# Altium PCB LION_TRACKER.PcbDoc (part 2 of 2) (continued)
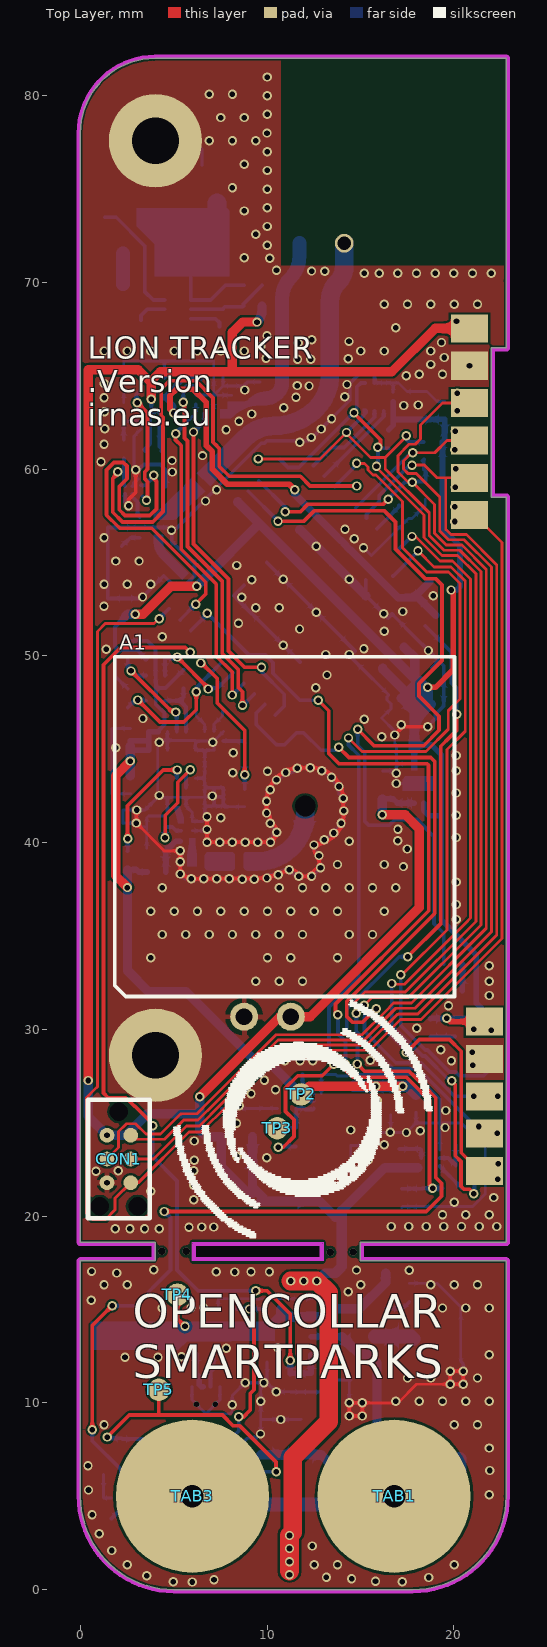
[diagram p0: Top Layer view]
## Nets (pads, with @x,y where several pads share a name; then routed paths per layer and width w, separated by ;. In a path a pad name is that pad's centre, name@x,y a point inside that pad or via, vN(x,y) a via of type N, cw(c..) or ccw(c..) an arc to the next point about the centre after c; other vN are vias at no path point) (continued)
  Bottom Layer w0.2: T3.3@3.24,63 3.24,63.378 v1(3.054,63.563) 2.998,63.619 2.998,64.014 3.24,64.255 3.24,64.62 C16.1@3.28,64.66 ; 3.33,58.55 v1(3.54,58.34)
NetC39_1: C39.1 U12.7 | length 1.8
  Bottom Layer w0.2: U12.7@6.97,10.87 6.97,11.66 7.13,11.82 C39.1@7.13,12.61
NetC39_2: C39.2 L6.1 U12.6 | length 2
  Bottom Layer w0.3: C39.2@6.17,12.61 6.17,11.575 6.372,11.373 6.372,10.968 U12.6@6.47,10.87 U12.6@6.568,10.87
NetC43_2: C43.2 U12.2 | length 1.4
  Bottom Layer w0.2: U12.2@6.97,7.97 6.97,7.29 C43.2@7.31,6.95 C43.2@7.31,7.16
NetC45_2: C45.2 R35.1 U14.5 | length 4.4
  Bottom Layer w0.2: U14.5@5.91,68.56 7.61,68.56 7.75,68.7 8.7,68.7 R35.1@8.73,68.73 8.73,68.85 C45.2@9.73,69.85
NetD2_2: D2.2 R9.2 | length 1.4
  Bottom Layer w0.3: R9.2@20.454,33.502 R9.2@20.46,33.496 ; D2.2@20.46,32.077 R9.2@20.46,33.496 ; R9.2@20.464,33.492 R9.2@20.46,33.496
NetD3_1: D3.1 F1.1 | length 2.1
  Bottom Layer w0.75: F1.1@15.79,13.55 17.7,13.55 D3.1@17.83,13.42
NetL1_1: L1.1 U2.3
NetL5_1: L5.1 U7.A2
NetR2_2: R2.2 U1.H9 | length 1.2
  Bottom Layer w0.2: U1.H9@7.66,45.45 8.69,45.45 R2.2@8.8,45.34
NetR3_2: R3.2 U1.C5 U2.5 | length 6.8
  Top Layer w0.2: v1(4.53,40.26) 4.54,40.27 4.54,41.47 5.21,42.14 5.21,43.23 v1(5.88,43.9)
  Bottom Layer w0.2: v1(4.53,40.26) 4.54,40.27 4.54,40.83 R3.2@4.55,40.84 4.92,40.84 5.12,40.64 U2.5@5.39,40.64 ; U1.C5@5.66,42.95 5.66,43.66 5.88,43.88 v1(5.88,43.9) v1@5.88,43.92
NetR4_1: R4.1 U1.D4 | length 6.4
  Top Layer w0.2: v1(2.53,40.21) 2.523,40.217 2.523,41.983 4.435,43.895 v1(5.185,43.895)
  Bottom Layer w0.2: R4.1@2.52,39.54 2.53,39.55 v1(2.53,40.21) ; U1.D4@5.16,43.45 5.16,43.87 v1(5.185,43.895) v1@5.21,43.92
NetR12_2: R12.2 T2.3 | length 1.7
  Bottom Layer w0.2: T2.3@19.26,22.68 19.26,22.66 R12.2@20.4,21.52 ; R12.2@20.4,21.5 R12.2@20.4,21.52 ; R12.2@20.4,21.54 R12.2@20.4,21.52
NetR13_1: R13.1 T2.5 T2.6 | length 1.6
  Bottom Layer w0.2: R13.1@17.07,23.6 18.2,23.6 T2.6@18.26,23.54 T2.5@18.26,23.11
NetR14_2: R14.2 R16.2 T2.2 | length 2.1
  Bottom Layer w0.2: T2.2@19.26,23.11 19.7,23.11 R14.2@20.1,22.71 R16.2@20.1,23.81
NetR19_2: R19.2 U5.4 | length 1.1
  Bottom Layer w0.2: R19.2@2.22,55.88 2.67,56.33 U5.4@3.18,56.33
NetR20_1: R20.1 T3.5 T3.6 | length 1.7
  Bottom Layer w0.2: T3.5@4.24,62.57 T3.6@4.24,62.14 4.24,61.2 R20.1@4.4,61.04 R20.1@4.34,60.98
NetR21_2: R21.2 R22.2 T3.2 | length 1.9
  Bottom Layer w0.2: R21.2@2.32,61.57 R22.2@2.32,62.58 2.33,62.57 T3.2@3.24,62.57
NetR25_2: R25.2 U7.B3 | length 1.3
  Bottom Layer w0.2: R25.2@11.89,27.59 11.89,27.17 U7.B3@12.5,26.56
NetR27_1: R27.1 T4.3 TP5.0 U12.3 | length 21
  Top Layer w0.2: v1(1.44,8.17) 2.616,9.346 4.2,9.346 ; TP5.0@4.2,10.7 4.2,9.346 ; v1(10.48,6.31) 10.48,6.83 8.54,8.77 8.19,8.77 7.614,9.346 4.2,9.346
  Bottom Layer w0.2: v1(1.44,8.17) 1.505,8.105 T4.3@2.21,8.105 2.255,8.06 R27.1@4.5,8.06 ; U12.3@6.47,7.97 6.47,6.78 6.95,6.3 6.96,6.31 v1(10.48,6.31)
NetR28_1: R28.1 R30.2 U12.1 | length 9.7
  Top Layer w0.2: v1(8.48,9.25) 8.73,9.25 9.1,9.62 9.1,10.5 9.3,10.7 9.3,14.785 v1(9.055,15.03)
  Bottom Layer w0.2: U12.1@7.47,7.97 7.95,7.97 8.48,8.5 v1(8.48,9.25) ; R30.2@8.38,15.02 8.39,15.03 v1(9.055,15.03) R28.1@9.72,15.03
NetR29_2: R29.2 U13.5 | length 1.4
  Bottom Layer w0.2: U13.5@16.35,15.05 17.25,15.05 R29.2@17.61,15.41
NetR31_2: R31.2 R32.2 T4.1 | length 2.6
  Bottom Layer w0.2: R31.2@2.67,3.815 R32.2@2.67,4.905 2.67,5.42 3.18,5.93 T4.1@3.18,6.165
NetR36_2: R36.2 U14.6 | length 1.8
  Bottom Layer w0.2: U14.6@5.91,68.06 7.24,68.06 7.45,67.85 R36.2@7.45,67.63
NetT5_1: T5.1 U14.2 | length 1.6
  Bottom Layer w0.2: T5.1@3.24,67.99 3.24,68.225 3.575,68.56 U14.2@4.51,68.56
NetT5_3: T5.3 T6.3 | length 1.6
  Bottom Layer w0.75: T5.3@2.27,69.93 2.27,71.54 T6.3@2.28,71.55
NetT6_1: T6.1 U14.3 | length 6.5
  Bottom Layer w0.2: T6.1@1.31,73.49 1.92,73.49 3.44,71.97 3.44,69.52 3.9,69.06 U14.3@4.51,69.06
NetU1_A4: U1.A4 U2.6
NetU1_J7: U1.J7 X1.2 | length 1.3
  Bottom Layer w0.152: X1.2@6.206,47.04 6.206,46.79 6.66,46.337 U1.J7@6.66,45.95
NetU1_J8: U1.J8 X1.1 | length 1.3
  Bottom Layer w0.152: U1.J8@7.16,45.95 7.16,46.344 7.606,46.79 X1.1@7.606,47.04
NetU4_26: U4.26 U5.3
NetU5_6: U5.6 U6.B1 | length 1.4
  Bottom Layer w0.2: U6.B1@2.79,58.69 2.79,58.505 2.945,58.35 3.057,58.238 3.057,57.553 U5.6@3.18,57.43
NFC_GPIO: pad.205 U4.15 | length 44.4
  Top Layer w0.2: v1(13.83,45.11) 14.38,44.56 17.24,44.56 17.243,44.557 18.763,44.557 18.975,44.345 18.975,43.438 18.977,43.435 18.977,36.215 14.27,31.508 14.27,30.679 14.569,30.38 15.11,30.38 15.84,31.11 v1(15.837,31.113) ; v1(17.45,28.76) 18.15,29.46 19.77,29.46 20.4,28.83 20.4,23.39 21.375,22.415 pad.205@21.643,22.415
  Bottom Layer w0.2: U4.15@9.874,47.396 9.419,46.941 9.419,46.339 9.435,46.323 9.435,46.312 9.956,45.791 10.488,45.259 10.499,45.259 10.514,45.244 10.925,45.244 11.571,45.89 11.949,45.89 12.895,44.944 13.664,44.944 v1(13.83,45.11) ; v1(15.837,31.113) 15.84,31.11 15.84,30.442 17.45,28.832 v1(17.45,28.76) ; v1(22.36,21.97) 22.36,22.8 v1(22.37,22.81)
REED: U4.46 U9.2 | length 38.7
  Top Layer w0.152: v1(17.155,32.932) 17.233,32.932 19.631,35.33 19.631,36.101 19.634,36.104 19.634,44.994 20.61,45.97 20.61,52.753 20.61,54.01 19.85,54.77 18.94,54.77 v1(18.08,55.63)
  Bottom Layer w0.2: 16.746,54.28 16.758,54.292 ; v1(17.155,32.932) 17.155,30.217 18.474,28.898 18.595,28.898 19.769,27.725 20.081,27.725 20.284,27.521 21.586,27.521 22.02,27.955 U9.2@22.02,28.65 ; U4.46@17.99,55.44 U4.46@17.923,55.44 ; 16.758,54.292 ccw(c16.786,54.263) 16.746,54.263 U4.46@17.923,55.44 ; 16.758,54.292 U4.46@17.579,55.113 17.906,55.44 U4.46@17.923,55.44
RESET: C11.2 CON1.3 pad.103 R18.1 U4.34 | length 72.5
  Top Layer w0.152: CON1.3@1.425,23.06 2.047,23.682 2.047,24.528 2.471,24.952 2.953,24.952 3.509,24.396 3.683,24.396 ; 3.684,24.396 4.059,24.396 4.286,24.396 5.368,25.478 5.401,25.478 5.404,25.481 6.238,25.481 6.919,26.162 10.445,29.689 10.475,29.718 15.083,29.718 16.332,30.967 16.774,31.409 17.728,31.409 21.736,35.417 21.736,53.764 21.736,53.939 21.736,54.17 21.736,54.574 21.736,54.608 21.736,54.633 20.431,55.938 20.407,55.938 20.403,55.942 19.593,55.942 18.964,56.571 18.964,58.116 v1(17.77,59.31) 17.54,59.31 17,59.85 17,60.722 17.336,61.058 ; 17.327,61.068 17.592,61.333 17.933,61.333 18.22,61.62 18.22,62.37 19.39,63.54 pad.103@20.84,63.54
  Top Layer w0.2: v1(10.97,57.72) 11.784,57.72 12.194,58.13 16.23,58.13 16.48,58.38 v1(16.48,58.4)
  Bottom Layer w0.2: U4.34@9.554,59.377 10.982,57.949 10.928,57.894 10.97,57.852 v1(10.97,57.72) ; v1(16.48,58.4) 17.39,59.31 v1(17.77,59.31) ; v1@17.77,59.23 17.88,59.34 C11.2@18.47,59.34 ; R18.1@18.395,60.525 18.32,60.45 R18.1@18.39,60.38 18.39,59.99 18.49,59.89 18.49,59.38 18.46,59.35 C11.2@18.47,59.34 ; C11.2@18.45,59.32 C11.2@18.47,59.34 ; v1(20.18,63.13) 20.183,63.133 v1(20.183,64.068)
RXD: R5.2 T1.1 U1.J4 | length 6.1
  Top Layer w0.2: v1(2.712,49.198) 4.915,46.995 v1(5.114,46.995)
  Bottom Layer w0.2: R5.2@2.54,49.82 2.54,49.37 v1(2.712,49.198) 2.955,48.955 T1.1@3.53,48.955 ; v1@5.069,47.04 v1(5.114,46.995) 5.16,46.949 U1.J4@5.16,45.95
SCL: pad.204@21.643,26.415 R10.1 U4.35 U10.1 | length 58.1
  Top Layer w0.152: v1(9.525,60.551) 12.831,60.551 v1(14.25,61.97) 14.25,61.91 15.53,60.63 16.33,60.63 ; v1(15.21,31.3) 15.613,31.703 17.559,31.703 21.265,35.409 21.457,35.601 21.457,53.677 21.457,53.824 21.457,54.055 21.457,54.493 21.457,54.517 20.315,55.659 20.291,55.659 20.287,55.663 19.478,55.663 18.685,56.456 18.685,57.665 16.33,60.02 16.33,60.63 ; v1(17.45,61.795) 17.45,61.75 16.33,60.63
  Bottom Layer w0.2: v1(14.25,61.97) 14.835,62.555 14.851,62.555 15.13,62.834 15.13,62.85 15.25,62.97 U10.1@15.25,63.12 ; v1(15.21,31.3) 15.244,31.266 15.244,30.659 15.21,30.625 15.21,29.904 16.894,28.22 18.236,28.22 20.036,26.42 v1(21.07,26.42) 22.34,26.42 v1(22.35,26.43) ; v1(17.45,61.795) 17.45,61.61 17.6,61.46 R10.1@18.39,61.46
SCLK: U3.3 U4.16 | length 19.8
  Top Layer w0.2: v1@5.51,63.559 5.58,63.489 5.58,61.67 5.733,61.517 5.733,55.855 7.604,53.984 7.604,50.122 8.457,49.269 8.457,48.303 8.68,48.08 v1(8.68,47.35)
  Bottom Layer w0.2: v1(5.51,63.58) 5.51,64.28 5.69,64.46 U3.3@6.178,64.46 ; v1(8.68,47.35) 8.696,47.35 U4.16@9.308,47.962
SDA: pad.204@21.643,24.415 R11.1 U4.36 U10.4 | length 58.3
  Top Layer w0.152: v1(14.767,30.857) 14.82,30.91 14.733,30.996 14.733,31.498 15.24,32.004 17.398,32.004 20.938,35.544 21.178,35.784 21.178,53.589 21.178,53.708 21.178,53.939 21.178,54.17 21.178,54.401 20.2,55.38 19.366,55.38 18.406,56.34 18.406,57.549 15.86,60.095 v1(15.86,60.15)
  Top Layer w0.2: v1(14.653,63.032) 14.653,63.012 14.644,63.002 16.073,61.573 16.073,61.217 16.031,61.175 v1(15.932,61.175)
  Bottom Layer w0.2: U4.36@10.692,60.515 11.116,60.091 11.691,60.091 14.641,63.041 14.651,63.032 v1(14.653,63.032) 14.653,63.034 14.644,63.044 14.8,63.2 14.8,64.4 15.02,64.62 U10.4@15.25,64.62 ; v1(14.767,30.857) 14.767,29.881 16.755,27.893 18.08,27.893 21.173,24.8 v1(21.33,24.8) 21.96,24.8 v1(22.33,24.43) ; v1(15.86,60.15) 15.932,60.222 v1(15.932,61.175) 16.115,61.175 16.17,61.12 R11.1@16.52,61.12
SDAT: U3.12 U4.14 | length 19.2
  Top Layer w0.2: v1(6.06,61.99) 6.06,55.99 7.931,54.119 7.931,50.258 8.789,49.4 v1(9.7,49.4)
  Bottom Layer w0.2: v1@6.05,62 6.07,61.98 6.64,62.55 U3.12@6.64,62.998 ; v1(9.7,49.4) 9.7,49.17 10.921,47.949 10.921,47.312 U4.14@10.44,46.831
SEN: U3.1 U4.17 | length 18.2
  Top Layer w0.2: v1(5.1,61.9) 5.1,61.569 5.406,61.263 5.406,55.719 6.967,54.158 6.967,54.155 7.277,53.845 7.277,49.987 8.13,49.134 v1(8.13,47.91)
  Bottom Layer w0.2: v1@5.11,61.89 v1(5.1,61.9) 5.09,61.91 6.178,62.998 U3.1@6.178,63.46 ; v1(8.13,47.91) 8.14,47.91 8.743,48.513 U4.17@8.743,48.528
SQI_CLK: U1.E1
SQI_CS: U1.D3
SQI_D0: U1.D1
SQI_D1: U1.C1
SQI_D2: U1.E3
SQI_D3: U1.F3
SWCLK: CON1.4 pad.105 U4.42 | length 59
  Top Layer w0.152: CON1.4@2.695,23.06 3.908,23.06 5.675,24.827 6.373,24.827 7.573,26.027 10.706,29.16 15.33,29.16 16.97,30.8 17.015,30.8 17.034,30.819 18.063,30.819 22.246,35.002 22.294,35.05 22.294,53.939 22.294,54.876 20.67,56.5 19.84,56.5 19.57,56.77 19.57,59.54 ; v1(17.76,60.218) 18.411,60.218 19.089,59.54 19.57,59.54 ; pad.105@20.84,59.54 19.57,59.54
  Bottom Layer w0.2: U4.42@15.317,57.376 15.317,57.588 16.003,58.274 16.003,58.597 17.566,60.161 17.703,60.161 v1(17.76,60.218) ; v1(20.07,59.04) 20.097,59.067 v1(20.097,60.021)
SWDIO: CON1.2 pad.104 U4.41 | length 61.2
  Top Layer w0.152: CON1.2@2.695,24.33 2.908,24.117 3.568,24.117 4.175,24.117 4.502,24.117 5.539,25.154 6.305,25.154 7.246,26.095 10.528,29.376 10.59,29.439 15.199,29.439 16.89,31.13 17.911,31.13 21.919,35.138 22.015,35.234 22.015,53.852 22.015,54.055 22.015,54.755 20.549,56.221 19.709,56.221 19.243,56.687 19.243,58.507 17.987,59.763 17.582,59.763 17.579,59.76 17.56,59.76 17.3,60.02 17.3,60.448 17.732,60.88 v1(17.79,60.88) 18.98,60.88 19.64,61.54 pad.104@20.84,61.54
  Bottom Layer w0.2: U4.41@14.751,57.941 17.689,60.88 v1(17.79,60.88) ; v1(20.05,61.04) 20.078,61.068 v1(20.078,62.028)
TCXO_VCC: C8.2 U3.4 U4.1 U4.48 | length 27.4
  Top Layer w0.3: v1(4.99,63.01) 4.8,63.2 4.8,63.94 5.14,64.28 6.04,64.28 6.73,63.59 6.73,61.29 6.756,61.264 6.756,61.258 7.065,60.949 7.065,59.995 7.867,59.193 11.187,59.193 v1(11.48,58.9)
  Bottom Layer w0.3: C8.2@4.5,63.822 cw(c4.567,63.822) C8.2@4.52,63.87 ; v1(4.99,63.01) 4.99,63.355 4.983,63.362 4.983,63.407 C8.2@4.52,63.87 ; U3.4@6.64,64.922 5.584,64.922 4.552,63.89 C8.2@4.5,63.89 C8.2@4.52,63.87 ; U4.48@18.718,53.928 U4.48@18.718,53.975
  Bottom Layer w0.4: v1(11.48,58.9) 11.48,58.66 13.593,56.547 13.593,56.541 13.931,56.203 13.937,56.203 14.093,56.047 14.093,56.031 14.431,55.693 14.447,55.693 17.022,53.118 17.861,53.118 ; U4.48@18.718,53.975 17.861,53.118 ; U4.1@19.036,52.171 18.09,53.118 17.861,53.118
TXD: R7.2 T1.4 U1.J5 | length 3.3
  Bottom Layer w0.2: T1.4@4.53,47.605 5.325,47.605 ; R7.2@5.52,48.25 5.52,47.8 5.325,47.605 ; U1.J5@5.66,45.95 5.66,47.27 5.325,47.605
UART2_TX: CON1.6 pad.106 U4.24 | length 89.1
  Top Layer w0.152: v1(4.22,52) 3.949,51.729 1.335,51.729 0.914,51.308 0.914,26.931 0.759,26.776 0.32,26.338 0.32,20.141 0.641,19.82 1.038,19.82 ccw(c1.044,20.52) 1.05,19.82 1.34,19.82 1.86,20.34 1.86,20.955 CON1.6@2.695,21.79 3.1,21.79 5.81,24.5 6.44,24.5 7.9,25.96 10.82,28.88 15.49,28.88 17.15,30.54 18.246,30.54 22.573,34.867 22.573,55.807 22.573,56.077 21.11,57.54 pad.106@20.84,57.54
  Bottom Layer w0.2: v1(4.22,52) 4.227,52 U4.24@4.749,52.521 ; v1(20.05,57.99) 20.05,57.204 v1(20.055,57.199)
VBAT: C18.2 C19.2 C20.2 C21.2 C33.2 CON1.1 CON3.2 P1.1 pad.69 pad.101 R13.2 R20.2 R35.2 T2.4 T3.4 U7.A1 U8.7 U8.8 U13.3 | length 147.1
  Top Layer w0.5: v1(0.414,27.262) 0.414,65.329 3.1,65.32 3.74,64.68 ; v1(3.8,63.74) 3.8,64.62 3.74,64.68 ; v1(6.4,26.4) 10.68,30.68 CON3.2@11.27,30.68 12.305,30.68 18.15,36.525 18.15,40.736 17.396,41.49 v1(16.17,41.49) ; v1(9.46,67.88) 8.69,67.88 8.141,67.331 8.141,66.593 8.143,66.592 8.141,66.59 8.141,66.071 8.143,66.069 8.141,66.067 8.141,65.22 ; pad.101@20.84,67.54 19,67.54 16.68,65.22 8.141,65.22 ; 3.74,64.68 4.28,65.22 8.141,65.22
  Top Layer w1: v1@11.2,1 v1(11.2,1.5) v1(11.2,2.2) v1(11.2,2.9) 11.373,3.073 11.373,7.073 13.3,9 13.3,15.89 v1(12.66,16.53) v1(11.96,16.53) v1(11.26,16.53)
  Bottom Layer w0.2: R20.2@3.48,60.96 R20.2@3.4,61.04 3.74,61.38 3.74,63.1 ; v1(3.8,63.74) 3.8,63.16 3.74,63.1 ; T3.4@4.27,63.15 4.33,63.09 T3.4@4.24,63 4.14,63.1 3.74,63.1
  Bottom Layer w0.3: C33.2@16.18,42.34 16.189,42.349 16.744,42.349 16.973,42.12 U8.8@17.38,42.12 U8.7@17.88,42.12
  Bottom Layer w0.5: v1(0.414,27.262) 0.414,25.341 v1(1.425,24.33) 2.43,24.33 3.576,25.476 6.4,25.476 ; v1(6.4,26.4) 6.4,25.476 ; pad.69@9.22,21.23 8.97,21.23 7.54,22.66 C18.2@7.54,24.25 6.75,24.25 6.4,24.6 6.4,25.476 ; C19.2@9.22,24.26 9.22,21.54 9.375,21.385 pad.69@9.805,20.955 ; v1(9.46,67.88) ccw(c8.808,68.532) 9.73,68.532 R35.2@9.73,68.73 ; pad.69@9.65,20.8 9.96,20.8 12.8,20.8 13.65,19.95 ; v1(11.26,16.53) v1(11.96,16.53) v1(12.66,16.53) 13.08,16.95 U13.3@13.65,16.95 ; 14,20.3 16.3,22.6 R13.2@17.07,22.6 17.07,22.583 T2.4@18.06,22.583 ; v1(16.17,41.49) 16.17,42.33 C33.2@16.18,42.34
  Bottom Layer w0.55: U13.3@13.65,16.95 14,17.3 14,20.3
  other v1: 11.2,0.8 20.14,67.92
VBKP: C17.2 R2.1 U4.20 | length 8.4
  Top Layer w0.2: v1(6.445,49.624) 6.489,49.624 7.326,48.788 7.326,47.479 8.8,46.005 v1(8.8,43.63)
  Bottom Layer w0.2: C17.2@8.8,42.88 R2.1@8.8,44.3
VCHG: C40.2 C41.2 C42.2 L6.2 R28.2 TP4.0 U13.1 U13.4 | length 10.5
  Top Layer w0.2: TP4.0@5.2,15.8 5.2,14.5 v1(5.6,14.1)
  Bottom Layer w0.5: C41.2@10,13.69 10,13.94 10.68,14.62 ; R28.2@10.74,15.01 R28.2@10.72,15.03 10.72,14.66 10.68,14.62 ; C40.2@11.81,14.63 C40.2@11.8,14.62 ; U13.4@16.35,16.95 16.35,16.45 14.95,15.05 U13.1@13.65,15.05 13.22,14.62 C40.2@11.8,14.62 ; 10.68,14.62 C40.2@11.8,14.62
VGPS_EN: R23.2 R24.2 TP3.0 U7.B1 | length 3
  Bottom Layer w0.2: v1(10.53,24.73) R23.2@11.54,24.73 11.56,24.75 R24.2@11.56,25.77 12,25.77 12.06,25.71 12.45,25.71 U7.B1@12.5,25.76
VIN: C31.2 C32.2 D4.K F1.2 R27.2 R33.2 U12.4 | length 16.9
  Bottom Layer w0.3: R27.2@4.5,7.06 5.84,7.06 5.86,7.08 5.86,7.86 U12.4@5.97,7.97 ; R33.2@12.37,13.55 F1.2@13.99,13.55
  Bottom Layer w0.5: C31.2@9.66,7.21 9.67,7.22 C32.2@11.81,7.22 12.9,7.22 13.425,6.695 D4.K@14.49,6.695 ; F1.2@13.99,13.55 14.94,12.6 15.441,12.6 15.885,12.156 15.885,8.69 D4.K@14.49,7.295
VSWR_AN: U4.23 U6.A2 | length 20.5
  Top Layer w0.2: v1(3.93,59.67) 3.93,59.49 4.07,59.35 4.07,57.87 3.72,57.52 2.39,57.52 2.08,57.83 2.08,59.08 2.493,59.493 2.493,60.167 2.3,60.36 1.8,60.36 1.403,59.963 1.403,57.565 1.406,57.562 1.406,57.534 2.05,56.89 2.078,56.89 2.125,56.843 3.817,56.843 6.714,53.946 6.714,53.314 v1(6.17,52.77)
  Bottom Layer w0.2: U6.A2@3.24,59.14 3.47,59.14 v1@3.793,59.463 ; U4.23@5.344,51.927 5.344,51.944 v1(6.17,52.77)
VSWR_EN: R21.1 U4.40 U6.C2 | length 28.5
  Top Layer w0.2: v1(2.01,59.86) 2.01,59.779 1.73,59.499 1.73,57.7 2.26,57.17 3.87,57.17 4.429,57.729 4.429,62.782 4.325,62.886 4.325,64.285 4.783,64.743 6.181,64.743 7.107,63.817 7.107,61.446 7.29,61.263 7.29,61.257 7.442,61.105 7.442,60.151 7.973,59.62 11.78,59.62 12.3,59.1 v1(14.8,59.1)
  Bottom Layer w0.2: R21.1@2.32,60.57 2.33,60.56 2.33,59.15 U6.C2@2.39,59.09
pads on no net: A2.3 A2.4 A2.5 A2.6 A2.7 CON1.0 U1.A2 U1.A6 U1.B1 U1.C3 U1.C4 U1.C6 U1.D9 U1.E9 U1.F1 U1.F4 U1.F6 U1.F9 U1.G4 U1.G5 U1.G9 U1.J6 U4.8 U4.9 U4.10 U4.11 U4.12 U4.13 U4.28 U4.29 U4.30 U4.31 U4.47 U8.3 U8.4 U8.5 U10.2 U10.3 U14.1
copper on no net:
  other v2: 13.38,18.07 14.62,18.08 4.36,18.11 5.66,18.11

## Polygon pours and split planes (outlines as drawn)
GND on Bottom Layer "Bottom Layer-GND" (solid, remove dead copper, pour order 31): 22.8,82 22.8,0 0,0 0,82
VBAT on Bottom Layer "Bottom Layer-VBAT" (solid, remove dead copper, pour order 29): 7.65,22.55 7.65,19.05 15.18,19.05 18.46,22.33 18.46,22.83 16.23,22.83 15.66,22.33 14.74,21.523 13.595,21.519 13.631,25.442 13.2,25.86 12.925,25.86 12.12,25.055 12.12,23.02 11.65,22.55
NetL5_1 on Bottom Layer "Bottom Layer-NetL5_1" (solid, pour order 24): 12.86,26.38 15.48,26.38 15.48,25.01 13.78,25.01 12.86,25.93
VIN on Bottom Layer "Bottom Layer-VIN" (solid, remove dead copper, pour order 28): 15.33,7.445 15.33,6.486 13.924,5.08 6.37,5.08 5.35,6.1 5.35,8.35 5.395,8.395 6.032,8.395 6.095,8.333 6.757,7.67 9.02,7.67 15.105,7.67
NetC39_2 on Bottom Layer "Bottom Layer-NetC39_2" (solid, remove dead copper, pour order 25): 0.55,9.24 4.41,9.24 5.615,10.445 6.85,10.445 6.85,11.46 6.29,12.02 1.35,12.02 0.55,11.22
GND on Top Layer "Top Layer-GND " (solid, remove dead copper, pour order 27): 22.8,82 22.8,0 0,0 0,82

## Keep-outs
Keep-Out Layer:
  lines w0.2: -0.1,5 ccw(c4.999,5) 5,-0.1 17.8,-0.1 ccw(c17.8,5) 22.9,4.999 ; -0.1,5 -0.1,17.6 ; -0.1,5 -0.1,5 ; -0.1,5 -0.1,5 ; -0.1,17.6 cw(c0,17.6) 0,17.7 ; -0.1,17.6 cw(c0,17.6) 0,17.7 ; -0.1,18.6 ccw(c0,18.6) 0,18.5 ; -0.1,18.6 ccw(c0,18.6) 0,18.5 ; -0.1,18.6 -0.1,78 cw(c4,78) 3.998,82.1 cw(c4,82) 4,82.1 22.8,82.1 ; 0,17.7 3.9,17.7 3.9,18.5 0,18.5 ; 22.8,17.7 cw(c22.8,17.6) 22.9,17.6 ; 22.8,17.7 cw(c22.8,17.6) 22.9,17.6 ; 22.8,17.7 15.1,17.7 15.1,18.5 22.8,18.5 ; 22.8,18.5 ccw(c22.8,18.6) 22.9,18.6 ; 22.8,18.5 ccw(c22.8,18.6) 22.9,18.6 ; 22.8,58.6 cw(c22.8,58.5) 22.9,58.5 ; 22.8,58.6 cw(c22.8,58.5) 22.9,58.5 ; 22.8,58.6 22.1,58.6 22.1,66.4 22.8,66.4 ; 22.8,66.4 ccw(c22.8,66.5) 22.9,66.5 ; 22.8,66.4 ccw(c22.8,66.5) 22.9,66.5 ; 22.8,82.1 cw(c22.8,82) 22.9,82 ; 22.8,82.1 cw(c22.8,82) 22.9,82 ; 22.9,4.999 ccw(c22.8,5) 22.9,5 ; 22.9,5 ccw(c17.8,5) 22.9,5 ; 22.9,4.999 ccw(c17.8,5) 22.9,5 ; 22.9,5 22.9,17.6 ; 22.9,18.6 22.9,58.5 ; 22.9,66.5 ccw(c22.8,66.5) 22.9,66.5 ; 22.9,66.5 22.9,70.08 ; 22.9,70.08 ccw(c22.8,70.08) 22.9,70.08 ; 22.9,70.08 ccw(c22.8,70.08) 22.9,70.08 ; 22.9,70.08 22.9,82 ; 6.1,17.7 12.9,17.7 12.9,18.5 6.1,18.5 6.1,17.7

## Other copper
Top Layer:
  pour cut-out: 10.72,82 10.72,70.89 22.8,70.89 22.8,82
Bottom Layer:
  region net ANT: 9.962,63.423 9.656,63.423 ccw(c9.656,61.327) 8.174,62.809 cw(c7.972,63.011) 7.972,62.725 7.49,62.725 7.49,63.2 7.79,63.2 ccw(c7.79,63.31) 7.9,63.31 7.9,63.61 8.612,63.61 ccw(c8.612,64.238) 9.056,63.794 9.069,63.807 cw(c9.946,62.929) 9.946,64.17
  region net NetC2_1: 6.67,39.3 cw(c6.87,39.3) 6.87,39.5 7.782,39.5 7.782,38.5 6.87,38.5 cw(c6.87,38.7) 6.67,38.7
  region net NetC2_1: 7.782,39.5 8.08,39.5 cw(c8.08,39.3) 8.28,39.3 8.28,38.7 cw(c8.08,38.7) 8.08,38.5 7.782,38.5
  region net NetA1_1: 9.53,39.5 8.9,39.5 ccw(c8.9,39.34) 8.74,39.34 8.74,38.74 ccw(c8.98,38.74) 8.98,38.5 9.53,38.5
  region net LORA_ANT: 3.93,57.28 3.93,57.58 ccw(c3.93,57.678) 3.999,57.609 4.49,58.1 5.19,57.4 cw(c4.911,57.689) 4.911,57.28
  region net NetU4_26: 5.455,54.079 4.253,55.281 cw(c5.034,56.062) 3.93,56.062 3.93,56.48 4.43,56.48 4.43,56.062 ccw(c5.034,56.062) 4.607,55.635 5.809,54.433
  pour cut-out: 16.278,4.998 cw(c17.278,4.998) 17.278,5.998 cw(c17.278,4.998) 18.278,4.998 cw(c17.278,4.998) 17.278,3.998 cw(c17.278,4.998)
  pour cut-out: 4.504,4.992 cw(c5.504,4.992) 5.504,5.992 cw(c5.504,4.992) 6.504,4.992 cw(c5.504,4.992) 5.504,3.992 cw(c5.504,4.992)
  region net NetA2_2: 6.236,59.796 6.71,60.27 7.42,59.56 6.946,59.086
  region: 6.372,59.66
  region net GND_BAT: 7.98,73.84 7.855,73.965 3.01,73.965 3.01,73.015 3.98,72.045 3.98,70.34 7.98,70.34
  region net +2.5V: 17.19,47.73 18.107,48.647 18.712,48.042 18.712,47.166 18.182,46.635
  pour cut-out: 8.893,39.638 5.59,39.638 5.59,38.362 8.956,38.362
  pour cut-out: 9.215,39.5
  pour cut-out: 22.8,81.945 22.8,70.895 10.71,70.895 10.71,81.954
  region net NetU1_A4: 5.54,41.04 5.24,41.04 5.01,41.95 5.31,41.95 5.54,41.34
  region: 8.28,39.34
  region net NetL1_1: 5.73,38.74 5.73,39.34 5.84,39.94 5.84,40.24 6.14,40.24 6.14,39.94 6.23,39.34 6.23,38.74
  region net LORA_ANT: 5.974,59.534 5.57,59.13 6.27,58.43 6.682,58.827
  pour cut-out: 6.78,58.73 7.04,58.99 6.14,59.89 5.88,59.63
  region: 9.99,63.07
  region net +2.5V: 18.03,43.87 18.03,44.76 18.18,44.91 18.18,45.55 17.58,45.55 17.58,44.91 17.73,44.76 17.73,43.87
  region net VCHG: 0.55,12.84 0.55,14.34 10.4,14.34 10.4,13.29 8.09,13.29 8.08,13.3 5.71,13.3 5.25,12.84
  region: 13.774,59.651
  region: 7.82,61.23

## Silkscreen, mask and mechanical layers (free items; w line width, h text height)
Top Overlay:
  drawing of 378 lines, arcs and shapes, not listed
  text "LION TRACKER / .Version / irnas.eu" at 0.4,62.317 h1.2
  text "OPENCOLLAR / SMARTPARKS" at 2.81,11.32 h1.8
Bottom Overlay:
  text "BAT-" at 8.32,70.59 h0.8 r270
  text "BAT+" at 6.493,19.418 h0.8 r270
  text "BAT+" at 11.825,0.665 h0.8 r270
Top Solder:
  lines w1: 2.653,45.38 5.57,45.38 ccw(c5.57,46.65) 6.84,46.65 6.84,46.8 ; 6.234,45.567 cw(c4.867,44.201) 6.8,44.201 6.8,44.101 cw(c5.229,44.101) 6.34,42.99 ccw(c7.137,42.193) 6.01,42.193 6.01,40.54 cw(c2.944,40.54) 5.112,38.372 3.003,36.263 ccw(c3.848,35.418) 2.653,35.418 2.653,33.85 ccw(c3.923,33.85) 3.923,32.58 12.873,32.58 16.257,35.964 ccw(c14.089,38.132) 17.155,38.132 17.155,40.28 ; 9.61,46.41 9.61,47.142 cw(c11.682,47.142) 10.217,48.607 10.62,49.01 cw(c11.393,48.237) 11.393,49.33 15.98,49.33 cw(c15.98,48.06) 17.25,48.06 17.25,48.008 ccw(c18.308,48.008) 17.56,47.26 cw(c16.86,46.56) 17.85,46.56 17.85,45.91 ; 6.84,46.8 ccw(c6.84,46.8) 6.84,46.8
Bottom Solder:
  rectangle: 0,65.42 8.768,66.97
  rectangle: 0,35.13 1.63,66.42
  rectangle: 2.9,35.13 18.28,36.57
  rectangle: 20.56,35.13 22,65.75
  rectangle: 15.3,65.44 22,66.97
Route Tool Path (Mech3):
  lines w1: -0.5,78 cw(c4,78) 3.996,82.5 ; 0,18.1 3.498,18.1 ; 5,-0.5 cw(c4.999,5) -0.5,5 ; 6.5,18.1 12.499,18.1 ; 17.8,-0.5 ccw(c17.8,5) 23.3,4.999 ; -0.5,5 -0.5,5 ; -0.5,5 -0.5,5 ; -0.005,18.1 cw(c0,18.6) -0.5,18.6 ccw(c0,18.6) -0.005,18.1 ; -0.005,18.1 ccw(c0,17.6) -0.5,17.6 cw(c0,17.6) -0.005,18.1 ; 3.996,82.5 cw(c4,82) 4,82.5 ccw(c4,78) 3.996,82.5 ; 15.5,18.1 22.797,18.1 ; 15.5,18.1 22.797,18.1 ; 15.5,18.1 15.5,18.1 ; 22.797,18.1 ccw(c22.8,18.6) 22.798,18.1 ; 22.797,18.1 cw(c22.8,17.6) 22.798,18.1 ; 22.797,18.1 22.8,18.1 ; 22.797,18.1 22.8,18.1 ; 22.798,18.1 ccw(c22.8,18.6) 22.8,18.1 ; 22.798,18.1 cw(c22.8,17.6) 22.8,18.1 ; 22.8,18.1 cw(c22.8,17.6) 22.802,18.1 ; 22.8,18.1 ccw(c22.8,18.6) 22.802,18.1 ; 22.8,18.1 ccw(c22.8,18.6) 22.802,18.1 ; 22.8,18.1 cw(c22.8,17.6) 22.802,18.1 ; 22.802,18.1 cw(c22.8,17.6) 23.3,17.6 ccw(c22.8,17.6) 22.802,18.1 ; 22.802,18.1 ccw(c22.8,18.6) 23.3,18.6 cw(c22.8,18.6) 22.802,18.1 ; 23.3,4.999 ccw(c22.8,5) 23.3,5 ; 23.3,4.999 ccw(c17.8,5) 23.3,5 ; 23.3,5 ccw(c17.8,5) 23.3,5

## Dimensions
22.8,18.6 to 22.8,82 on Mechanical 16
22.8,17.6 to 22.8,18.6 on Mechanical 16
17.8,0 to 22.8,17.6 on Mechanical 16
22.8,82 to 17.8,0 on Mechanical 16
0,78 to 22.8,82 on Mechanical 16

## Text inside footprints (layer, text, board x,y; h text height)
D3: Bottom Assembly "~" at 17.5,9.67 h1 r180; Bottom Assembly "-" at 20,11.97 h1 r180; Bottom Assembly "~" at 20,9.67 h1 r180; Bottom Assembly "+" at 17.5,11.97 h1 r180; Bottom Overlay "+" at 17.5,11.97 h1 r180; Bottom Overlay "-" at 20,11.97 h1 r180; Bottom Overlay "~" at 17.5,9.67 h1 r180; Bottom Overlay "~" at 20,9.67 h1 r180